# Altium PCB sFMC-98_s3f.PcbDoc (part 2 of 2)
Units mil, origin at the board's own origin, x right, y up, seen from the top; angles counter-clockwise.
Board outline 3125 x 1929.13 mil, 2 copper layers (Top Layer, Bottom Layer); 80 components, 111 nets, 443 pads, 206 vias.
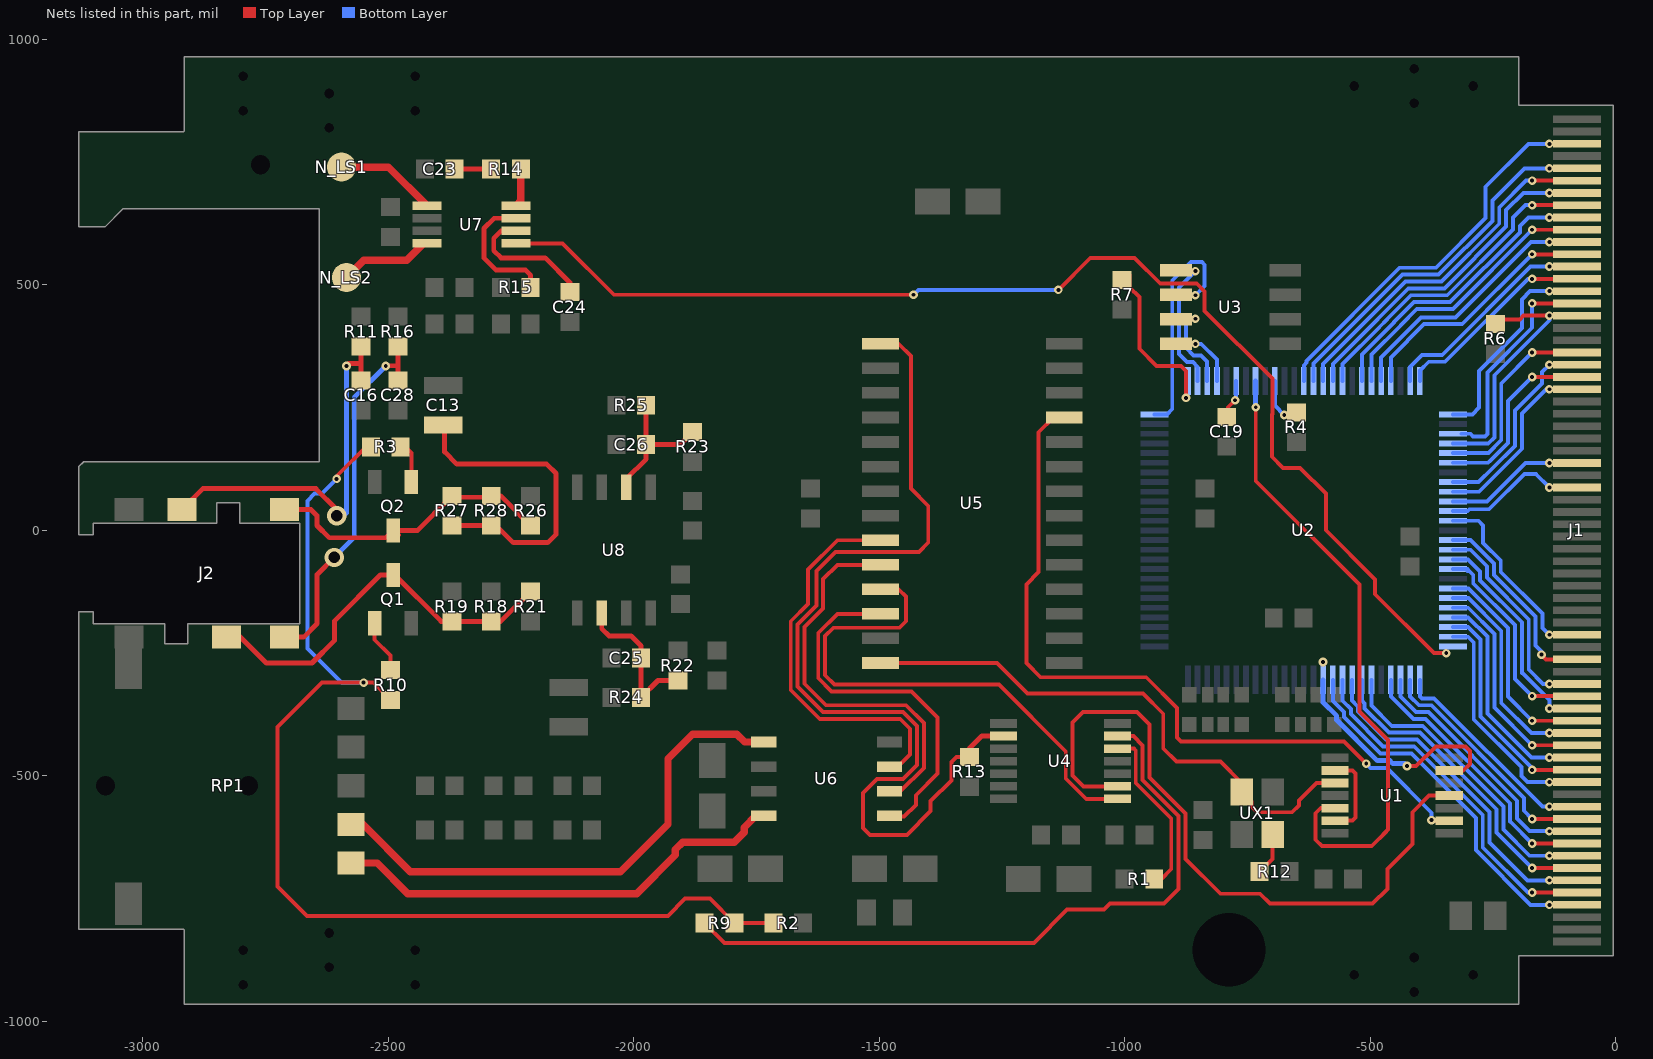
[diagram p2: the nets of this part, all layers, seen from the top]

## Via types
v1: diameter 39.37, hole 23.62, Top Layer to Bottom Layer, 106 vias
v2: diameter 17.72, hole 7.87, Top Layer to Bottom Layer, 96 vias
v3: diameter 50, hole 28, Top Layer to Bottom Layer, 4 vias

## Nets (pads, with @x,y where several pads share a name; then routed paths per layer and width w, separated by ;. In a path a pad name is that pad's centre, name@x,y a point inside that pad or via, vN(x,y) a via of type N, cw(c..) or ccw(c..) an arc to the next point about the centre after c; other vN are vias at no path point) (continued)
NetC13_2: C13.2 R27.2 R28.2 | length 642.6
  Top Layer w10: C13.2@-2385,200 -2385,160 -2360,135 -2177,135 -2158,116 -2158,-8 -2175,-25 -2245,-25 -2279.68,9.68 R28.2@-2290,9.68 R27.2@-2370,9.68
NetC16_2: C16.2 J2.5 R11.1 | length 826.6
  Top Layer w10: J2.5@-2938.9,49.92 -2938.9,56.1 J2.5@-2936.16,58.84 ; J2.5@-2919.88,42.56 -2877.44,85 -2647.37,85 -2605,42.63 v1(-2605,30) ; v2(-2585,335) -2580,340 -2555,340 ; C16.2@-2555,305.32 -2555,340 ; R11.1@-2555,374.69 -2555,340
  Bottom Layer w10: v1(-2605,30) -2615,30 -2602.5,17.5 -2585,35 v2(-2585,335)
NetC19_2: C19.2 U2.56 | length 71.7
  Top Layer w7.99: C19.2@-790,239.53 -790,250 v2(-775,265)
  Bottom Layer w7.99: v2(-775,265) -772.8,267.2 U2.56@-772.8,304.13
NetC23_1: C23.1 R14.2 | length 74.4
  Top Layer w10: C23.1@-2364.68,735.75 R14.2@-2290.31,735.75
NetC24_2: C24.2 U7.2 | length 278.5
  Top Layer w10: U7.2@-2239.45,610.2 -2269.8,610.2 -2285,595 -2285,570 -2270,555 -2180,555 -2130,505 C24.2@-2130,485.32
NetC25_2: C25.2 R22.2 R24.1 U8.2 | length 320.6
  Top Layer w10: U8.2@-2065,-167.95 -2065,-200 -2050,-215 -2005,-215 -1984.68,-235.32 C25.2@-1984.68,-260 R24.1@-1984.69,-340 -1950.32,-305.63 R22.2@-1910,-305.63
NetC26_2: C26.2 R23.2 R25.1 U8.6 | length 288.9
  Top Layer w10: U8.6@-2015,87.95 -2015,105 -1974.68,145.32 C26.2@-1974.68,175 ; R25.1@-1974.69,255 C26.2@-1974.68,175 ; R23.2@-1880,200.32 -1905.32,175 C26.2@-1974.68,175
NetC28_2: C28.2 J2.6 R16.1 | length 755.1
  Top Layer w10: J2.6@-2711.22,-217.28 -2672.28,-217.28 -2645,-190 -2645,-90 v1(-2610,-55) ; v2(-2505,335) -2504.57,335.43 -2480,335.43 ; C28.2@-2480,305.32 -2480,335.43 ; R16.1@-2480,374.69 -2480,335.43
  Bottom Layer w10: v1(-2610,-55) -2569,-14 -2569,271 v2(-2505,335)
NetJ1_33: J1.33 U2.10 | length 700.6
  Bottom Layer w8: U2.10@-575.94,-304.13 -575.94,-347.06 -553.2,-369.8 -553.2,-379.99 -479.2,-454 -416,-454 -284.68,-585.32 -284.68,-651.32 -173.4,-762.6 v2(-135,-762.6)
NetJ2_3: J2.3 Q2.3 R26.2 R27.1 R28.1 | length 612.2
  Top Layer w10: J2.3@-2711.22,42.56 -2657.56,42.56 -2645,30 -2645,10 -2620,-15 -2505,-15 Q2.3@-2490,0 -2440,0 -2406.82,33.18 -2406.82,33.5 R27.1@-2372.81,67.5 ; Q2.3@-2490,-9.21 Q2.3@-2479.21,-9.21 ; R27.1@-2370,70.31 R27.1@-2372.81,67.5 ; R26.2@-2210,9.68 -2270.63,70.31 R28.1@-2290,70.31 -2292.81,67.5 R27.1@-2372.81,67.5
NetJ2_4: J2.4 Q1.3 R18.1 R19.1 R21.2 | length 825.2
  Top Layer w10: J2.4@-2848.35,-209.92 -2808.07,-209.92 -2747.99,-270 -2655,-270 -2609,-224 -2609,-184 -2515.79,-90.79 Q1.3@-2490,-90.79 -2486.55,-90.79 -2392.02,-185.31 R19.1@-2370,-185.31 R18.1@-2290,-185.31 -2270.63,-185.31 R21.2@-2210,-124.68
NetN_LS1_1: N_LS1.1 U7.5 | length 207
  Top Layer w15: N_LS1.1@-2595,740 -2499.17,740 U7.5@-2420.55,661.38
NetN_LS2_1: N_LS2.1 U7.8 | length 193.3
  Top Layer w15: N_LS2.1@-2585,515 -2550,550 -2462.05,550 -2427.44,584.61 U7.8@-2420.55,584.61
NetQ1_1: Q1.1 R10.1 | length 108.9
  Top Layer w7.99: Q1.1@-2527.4,-189.21 -2527.4,-222.6 -2495,-255 R10.1@-2495,-284.69
NetQ2_1: Q2.1 R3.1 | length 90.7
  Top Layer w7.99: R3.1@-2474.69,180 -2452.6,157.91 Q2.1@-2452.6,98.43
NetR1_2: R1.2 U4.5 | length 353.9
  Top Layer w7.99: U4.5@-1014.86,-444.41 -981.05,-444.41 -977.3,-448.15 -977.3,-514.48 -905,-586.79 -905,-690 -925,-710 R1.2@-939.68,-710
NetR2_2: R2.2 R3.2 R9.2 R10.2 | length 2295.8
  Top Layer w7.99: v2(-2605,105) -2605,110.32 R3.2@-2540.32,175 ; R10.2@-2495,-345.32 -2530.32,-310 v2(-2550,-310) -2635,-310 -2725,-400 -2725,-725 -2665,-785 -1930,-785 -1895,-750 -1844.68,-750 R9.2@-1794.68,-800 R2.2@-1715.32,-800
  Bottom Layer w7.99: v2(-2605,105) -2635,75 -2650,75 -2664.68,60.32 -2664.68,-240.32 -2595,-310 v2(-2550,-310)
NetR4_1: R4.1 U2.60 | length 77
  Bottom Layer w8: U2.60@-694.06,304.13 -694.06,254.06 v2(-675,235)
NetR7_1: R7.1 U2.51 | length 327.2
  Top Layer w8: R7.1@-990,520.31 -990,495 -970,475 -970,370 -935,335 -885,335 -875,325 v2(-875,270)
NetR9_1: R9.1 U4.6 | length 1409.5
  Top Layer w7.99: R9.1@-1855.31,-800 -1815.31,-840 -1185,-840 -1117,-772 -1042,-772 -1030,-760 -920,-760 -890,-730 -890,-582 -963.31,-508.69 -963.31,-437.69 -982.18,-418.82 U4.6@-1014.86,-418.82
NetR12_2: R12.2 UX1.1 | length 86.3
  Top Layer w7.99: R12.2@-724.06,-695 -698.5,-669.45 UX1.1@-698.5,-619.31
NetR14_1: R14.1 U7.4 | length 78.4
  Top Layer w15: U7.4@-2239.45,661.38 -2229.68,671.15 R14.1@-2229.68,735.75
NetR15_2: R15.2 U7.3 | length 268.8
  Top Layer w10: U7.3@-2239.45,635.79 -2284.21,635.79 -2305,615 -2305,555 -2280,530 -2220,530 -2209.68,519.68 R15.2@-2209.68,495
NetRP1_1: RP1.1 U6.4 | length 944.8
  Top Layer w15: RP1.1@-2575.67,-677.48 -2522.48,-677.48 -2459.96,-740 -1994,-740 -1915,-661 -1915,-650 -1900,-635 -1795,-635 -1775,-615 -1775,-605 -1751,-581 U6.4@-1734.95,-581
NetRP1_2: RP1.2 U6.1 | length 1081.2
  Top Layer w15: RP1.2@-2575.67,-598.74 -2551.26,-598.74 -2455,-695 -2026.77,-695 -1930,-598.23 -1930,-465 -1880,-415 -1790,-415 -1774,-431 U6.1@-1734.95,-431
NetU1_2: U1.2 U1.6 | length 177.4
  Top Layer w7.99: U1.6@-571.14,-591.18 -536.18,-591.18 -530,-585 -530,-495 -536.18,-488.82 U1.2@-571.14,-488.82
NetU1_5: U1.5 U2.58 | length 1296.1
  Top Layer w7.99: v2(-733,251) -733,101 -522,-110 -522,-369 -463.99,-427.01 -463.99,-609.41 -472.99,-618.41 ; U1.5@-571.14,-565.59 -600.59,-565.59 -611,-576 -611,-630 -598.37,-642.63 -496.63,-642.63 -467.99,-613.99
  Bottom Layer w10: U2.58@-733.43,304.13 -733.43,251.43 v2(-733,251)
NetU1_9: U1.9 U5.11 | length 1608.5
  Top Layer w8: U5.11@-1097.4,230 -1145,230 -1175,200 -1175,-85 -1200,-110 -1200,-270 -1170.99,-299.01 -955.99,-299.01 -893.34,-361.66 -893.34,-421.66 -885,-430 -553,-430 v2(-508,-475) ; v2(-375,-590) -373.82,-591.18 U1.9@-338.86,-591.18
  Bottom Layer w8: v2(-508,-475) -499,-484 -466,-484 -375,-575 v2(-375,-590)
NetU1_11: U1.11 U4.2 | length 1415.5
  Top Layer w8: U4.2@-1014.86,-521.18 -1083.82,-521.18 -1106,-499 -1106,-391 -1085,-370 -975,-370 -949.31,-395.68 -949.31,-502.89 -876,-576.2 -876,-669 -805,-740 -724,-740 -704,-760 -495,-760 -465,-730 -465,-690 -414,-639 -414,-574 -380,-540 U1.11@-338.86,-540
NetU1_13: U1.13 U2.11 | length 497.7
  Top Layer w7.99: v2(-425,-480) -406.18,-480 -366.18,-440 -306,-440 -297,-449 -297,-475.54 -310.28,-488.82 U1.13@-338.86,-488.82
  Bottom Layer w10: U2.11@-595.63,-304.13 -595.63,-350.37 -568.2,-377.8 -568.2,-386.2 -485.41,-469 -459.79,-469 -453.79,-475 -430,-475 v2(-425,-480)
  other v2: -595.89,-267.96
NetU2_50: U2.50 U3.2 | length 456.5
  Bottom Layer w8: U2.50@-939.13,236.22 -913.78,236.22 -903,247 -903,509 -865.14,546.86 -842.86,546.86 -837.14,541.14 -837.14,497.86 v2(-856,479)
NetU2_52: U2.52 U3.1 | length 259.8
  Bottom Layer w8: v2(-856,528) -889,495 -889,359 -872.68,342.68 -861.17,342.68 -851.54,333.04 U2.52@-851.54,304.13
NetU2_53: U2.53 U3.3 | length 169.5
  Bottom Layer w8: v2(-856,431) -870,431 -874.86,426.14 -874.86,372.19 -859.35,356.68 -844.29,356.68 -831.85,344.24 U2.53@-831.85,304.13
NetU2_54: U2.54 U3.4 | length 101.1
  Bottom Layer w8: v2(-856,380) -844,380 -812.17,348.17 U2.54@-812.17,304.13
PC_A0: J1.29 U2.1 | length 390.6
  Bottom Layer w8: U2.1@-398.78,-304.13 -398.78,-337.82 -394.6,-342 -369.61,-342 -149.01,-562.6 v2(-135,-562.6)
PC_A1: J1.28 U2.99 | length 420.9
  Bottom Layer w8: U2.99@-330.87,-216.54 -300.46,-216.54 -289,-227.99 -289,-384.87 -192,-481.87 -192,-499.81 -179.21,-512.6 v2(-135,-512.6)
PC_A2: J1.27 U2.97 | length 406
  Bottom Layer w8: U2.97@-330.87,-177.17 -300.23,-177.17 -261,-216.4 -261,-373.27 -171.67,-462.6 v2(-135,-462.6)
PC_A3: J1.26 U2.95 | length 395.5
  Bottom Layer w8: U2.95@-330.87,-137.8 -300,-137.8 -233,-204.8 -233,-351.27 -171.67,-412.6 v2(-135,-412.6)
PC_A4: J1.25 U2.91 | length 403
  Bottom Layer w8: U2.91@-330.87,-59.06 -300.94,-59.06 -276,-84 -276,-102 -191,-187 -191,-290.47 -189.6,-290.47 -135,-345.07 v2(-135,-362.6)
PC_A5: J1.24 U2.90 | length 382.4
  Bottom Layer w8: U2.90@-330.87,-39.37 -295.63,-39.37 -262,-73 -262,-96.2 -177,-181.2 -177,-283.27 -147.67,-312.6 v2(-135,-312.6)
PC_A6: J1.23 U2.89 | length 404.8
  Top Layer w8: v2(-151,-253) -141.4,-262.6 J1.23@-78.74,-262.6
  Bottom Layer w8: U2.89@-330.87,-19.69 -295.52,-19.69 -248,-67.2 -248,-90.4 -163,-175.4 -163,-234.6 -151,-246.6 v2(-151,-253)
PC_A7: J1.22 U2.87 | length 343.4
  Bottom Layer w8: U2.87@-330.87,19.68 -279.69,19.68 -270,10 -270,-25.4 -234,-61.4 -234,-84.6 -149,-169.6 -149,-198.6 v2(-135,-212.6)
PC_A8: J1.12 U2.84 | length 324.4
  Bottom Layer w8: U2.84@-330.87,78.74 -278.66,78.74 -191,166.4 -191,238.27 -141.87,287.4 v2(-135,287.4)
PC_A9: J1.11 U2.83 | length 350.6
  Bottom Layer w8: U2.83@-330.87,98.43 -279.15,98.43 -250,127.57 -249.63,127.57 -205,172.2 -205,244.07 -150,299.07 -150,322.4 v2(-135,337.4)
PC_A10: J1.8 U2.76 | length 378.1
  Bottom Layer w8: U2.76@-330.87,236.22 -291.78,236.22 -278,250 -278,325 -191,412 -191,470.4 -174,487.4 v2(-135,487.4)
PC_C\E\1\: J1.7 U2.74 | length 397
  Bottom Layer w8: U2.74@-418.46,304.13 -418.46,333.04 -393.96,357.55 -353.06,357.55 -173.21,537.4 v2(-135,537.4)
PC_C\E\2\: J1.42 U2.78 | length 452.7
  Top Layer w7.99: v2(-170,462.4) J1.42@-78.74,462.4
  Bottom Layer w8: U2.78@-314,196.85 -295.99,196.85 -290.3,191.17 -265.83,191.17 -261,196 -261,321.8 -170,412.8 v2(-170,462.4)
PC_D0: J1.30 U2.3 | length 472.2
  Bottom Layer w8: U2.3@-438.15,-304.13 -438.15,-338.05 -406.2,-370 -381.21,-370 -200.68,-550.52 -200.68,-587.12 -175.2,-612.6 v2(-135,-612.6)
PC_D1: J1.31 U2.6 | length 569.1
  Bottom Layer w8: U2.6@-497.2,-304.13 -497.2,-356.8 -456,-398 -392.8,-398 -228.68,-562.12 -228.68,-609.12 -175.2,-662.6 v2(-135,-662.6)
PC_D2: J1.32 U2.8 | length 637.8
  Bottom Layer w8: U2.8@-536.57,-304.13 -536.57,-346.83 -525.2,-358.2 -525.2,-368.39 -467.6,-426 -404.4,-426 -256.68,-573.72 -256.68,-635.32 -179.4,-712.6 v2(-135,-712.6)
PC_D3: J1.2 U2.63 | length 758.4
  Bottom Layer w8: U2.63@-635,304.13 -635,336 -629.31,341.69 -629.31,345.48 -439.8,535 -366.19,535 -265,636.19 -265,700 -177.6,787.4 v2(-135,787.4)
PC_D4: J1.3 U2.64 | length 705
  Bottom Layer w8: U2.64@-615.31,304.13 -615.31,339.69 -434,521 -360.4,521 -251,630.4 -251,672 -185.6,737.4 v2(-135,737.4)
PC_D5: J1.4 U2.66 | length 640
  Bottom Layer w8: U2.66@-575.94,304.13 -575.94,339.06 -487.45,427.55 -487.45,427.75 -479.45,435.75 -479.45,435.95 -422.4,493 -348.8,493 -223,618.8 -223,652.2 -187.8,687.4 v2(-135,687.4)
PC_D6: J1.5 U2.69 | length 559.5
  Bottom Layer w8: U2.69@-516.89,304.13 -516.89,358.31 -451.45,423.75 -451.45,424.35 -410.8,465 -337.2,465 -195,607.2 -195,620 -177.6,637.4 v2(-135,637.4)
PC_D7: J1.6 U2.71 | length 488.2
  Bottom Layer w7.99: U2.71@-477.52,304.13 -477.52,352.48 -396,434 -326,434 -172.6,587.4 v2(-135,587.4)
PC_D8: J1.64 U2.4 | length 558.6
  Top Layer w7.99: v2(-170,-637.6) J1.64@-78.74,-637.6
  Bottom Layer w8: U2.4@-457.83,-304.13 -457.83,-338.17 -412,-384 -387.01,-384 -214.68,-556.32 -214.68,-592.91 v2(-170,-637.6)
PC_D9: J1.65 U2.7 | length 655.4
  Top Layer w7.99: v2(-170,-687.6) J1.65@-78.74,-687.6
  Bottom Layer w8: U2.7@-516.89,-304.13 -516.89,-346.71 -511.2,-352.4 -511.2,-362.59 -461.8,-412 -398.6,-412 -242.68,-567.92 -242.68,-614.91 v2(-170,-687.6)
PC_D10: J1.66 U2.9 | length 726.8
  Top Layer w7.99: v2(-170,-737.6) J1.66@-78.74,-737.6
  Bottom Layer w8: U2.9@-556.26,-304.13 -556.26,-346.94 -539.2,-364 -539.2,-374.19 -473.4,-440 -410.2,-440 -270.68,-579.52 -270.68,-645.52 -178.6,-737.6 v2(-170,-737.6)
PC_D11: J1.37 U2.65 | length 726.3
  Top Layer w7.99: v2(-170,712.4) J1.37@-78.74,712.4
  Bottom Layer w8: U2.65@-595.63,304.13 -595.63,339.37 -493.45,441.55 -493.45,441.75 -428.2,507 -354.6,507 -237,624.6 -237,658 -182.6,712.4 v2(-170,712.4)
PC_D12: J1.38 U2.67 | length 660.6
  Top Layer w7.99: v2(-170,662.4) J1.38@-78.74,662.4
  Bottom Layer w8: U2.67@-556.26,304.13 -556.26,338.74 -481.45,413.55 -481.45,413.75 -465.45,429.75 -465.45,430.15 -416.6,479 -343,479 -209,613 -209,637 -183.6,662.4 v2(-170,662.4)
PC_D13: J1.39 U2.70 | length 578.2
  Top Layer w7.99: v2(-170,612.4) J1.39@-78.74,612.4
  Bottom Layer w8: U2.70@-497.2,304.13 -497.2,358.2 -437.45,417.95 -437.45,418.55 -405.01,451 -331.4,451 v2(-170,612.4)
PC_D14: J1.40 U2.72 | length 514.2
  Top Layer w7.99: v2(-170,562.4) J1.40@-78.74,562.4
  Bottom Layer w8: U2.72@-457.83,304.13 -457.83,352.17 -390,420 -312.4,420 v2(-170,562.4)
PC_D15: J1.41 U2.75 | length 418.8
  Top Layer w7.99: v2(-170,512.4) J1.41@-78.74,512.4
  Bottom Layer w8: U2.75@-398.78,304.13 -398.78,325.42 -380.65,343.55 -347.26,343.55 -178.41,512.4 v2(-170,512.4)
PC_H\W\E\: J1.15 U2.85 | length 228.3
  Bottom Layer w8: U2.85@-330.87,59.06 -261.74,59.06 -183.4,137.4 v2(-135,137.4)
PC_I\N\P\A\C\K\: J1.60 U2.96 | length 456
  Top Layer w7.99: v2(-170,-437.6) J1.60@-78.74,-437.6
  Bottom Layer w8: U2.96@-330.87,-157.48 -300.12,-157.48 -247,-210.6 -247,-360.6 v2(-170,-437.6)
PC_I\O\R\D\: J1.44 U2.80 | length 404.7
  Top Layer w7.99: v2(-170,362.4) J1.44@-78.74,362.4
  Bottom Layer w8: U2.80@-330.87,157.48 -259.32,157.48 -233,183.8 -233,299.4 v2(-170,362.4)
PC_I\O\W\R\: J1.45 U2.81 | length 374.5
  Top Layer w7.99: v2(-170,312.4) J1.45@-78.74,312.4
  Bottom Layer w8: U2.81@-330.87,137.8 -259.58,137.8 -255.8,141.57 -255.43,141.57 -219,178 -219,263.4 v2(-170,312.4)
PC_I\R\E\Q\: J1.16 U2.86 | length 238.6
  Bottom Layer w8: U2.86@-330.87,39.37 -301.63,39.37 -297.85,43.15 -257.85,43.15 -186,115 -162.6,115 v2(-135,87.4)
PC_O\E\: J1.9 R6.1 U2.79 | length 556.5
  Top Layer w8: R6.1@-245,420.31 -235.31,430 -195,430 -187.6,437.4 v2(-135,437.4) J1.9@-78.74,437.4
  Bottom Layer w8: U2.79@-330.87,177.17 -259.43,177.17 -247,189.6 -247,316 -135,428 v2(-135,437.4)
PC_R\E\G\: J1.61 U2.98 | length 466.5
  Top Layer w7.99: v2(-170,-487.6) J1.61@-78.74,-487.6
  Bottom Layer w8: U2.98@-330.87,-196.85 -300.35,-196.85 -275,-222.2 -275,-379.07 -170,-484.07 v2(-170,-487.6)
PC_RESET: J1.58 U2.92 | length 435.9
  Top Layer w7.99: v2(-170,-337.6) J1.58@-78.74,-337.6
  Bottom Layer w8: U2.92@-330.87,-78.74 -301.96,-78.74 -301.96,-82.52 -298.18,-82.52 -290,-90.7 -290,-107.8 -205,-192.8 -205,-302.6 v2(-170,-337.6)
PC_STSCHG: J1.63 U2.2 | length 492.3
  Top Layer w7.99: v2(-170,-587.6) J1.63@-78.74,-587.6
  Bottom Layer w8: U2.2@-418.46,-304.13 -418.46,-337.94 -400.4,-356 -375.41,-356 -186.68,-544.72 -186.68,-570.91 v2(-170,-587.6)
PC_W\A\I\T\: J1.59 U2.94 | length 445.5
  Top Layer w7.99: v2(-170,-387.6) J1.59@-78.74,-387.6
  Bottom Layer w8: U2.94@-330.87,-118.11 -299.89,-118.11 -219,-199 -219,-338.6 v2(-170,-387.6)
SPK_ENABLE: U2.100 U7.1 | length 2481.5
  Top Layer w8: U7.1@-2239.45,584.61 -2144.61,584.61 -2040,480 v2(-1430,480) ; v2(-1135,490) -1070,555 -979.64,555 -927.43,502.8 -853.13,502.8 -837.14,486.81 -837.14,447.14 -699.15,309.15 -699.15,236.98 -700,236.12 -700,150 -677.51,127.51 -642.49,127.51 -590,75.02 -590,0.42 -492,-97.58 -492,-98 -490,-100 -490,-130 -370,-250 v2(-345,-250)
  Bottom Layer w8: v2(-1430,480) -1420,490 v2(-1135,490)
YM_BCO: U5.23 U6.7 | length 786.9
  Top Layer w7.99: U5.23@-1522.6,-20 -1585,-20 -1645,-80 -1645,-150 -1680,-185 -1680,-325 -1621,-384 -1457,-384 -1437,-404 -1437,-456 -1462,-481 U6.7@-1479.05,-481
YM_I\R\Q\: R13.1 U4.9 U5.15 | length 1975.6
  Top Layer w8: U5.15@-1522.6,380 -1460,380 -1435,355 -1435,85 -1400,50 -1400,-25 -1419,-44 -1589.21,-44 -1627.99,-82.78 -1627.99,-153.19 -1666,-191.21 -1666,-211 -1666,-318.15 -1614.15,-370 -1451.2,-370 -1423,-398.2 -1423,-478 -1451,-506 -1504.61,-506 -1533,-534.39 -1533,-606 -1519,-620 -1443.24,-620 -1395,-571.76 -1395,-551 -1353.03,-509.03 -1353.03,-472.03 -1342.69,-461.69 R13.1@-1316,-461.69
  Top Layer w10: R13.1@-1316,-461.69 -1316,-444 -1290.82,-418.82 U4.9@-1247.14,-418.82
YM_LRO: U5.26 U6.5 | length 723.8
  Top Layer w7.99: U5.26@-1522.6,-170 -1584.79,-170 -1624.02,-209.24 -1624.02,-300.76 -1596.76,-328.02 -1433.81,-328.02 -1381.02,-380.81 -1381.02,-495.39 -1425,-539.37 -1425,-559 -1449,-583 U6.5@-1457.05,-583
YM_MCLK: U1.3 U5.28 UX1.3 | length 1170.5
  Top Layer w7.99: U5.28@-1522.6,-270 -1260.21,-270 -1198.22,-331.99 -962.8,-331.99 -921.33,-373.46 -921.33,-443.89 -894.21,-471 -805,-471 UX1.3@-761.5,-514.5 ; UX1.3@-758,-518 UX1.3@-761.5,-514.5 ; U1.3@-571.14,-514.41 -609.41,-514.41 -645,-550 -645,-560 -659,-574 -730,-574 -742,-562 -742,-552.19 UX1.3@-761.5,-532.69 UX1.3@-761.5,-514.5
YM_SO: U5.24 U6.6 | length 789.7
  Top Layer w7.99: U5.24@-1522.6,-70 -1585,-70 -1613.99,-98.99 -1613.99,-158.99 -1652.01,-197.01 -1652.01,-312.36 -1608.36,-356.01 -1445.41,-356.01 -1409.01,-392.41 -1409.01,-483.8 -1456.21,-531 U6.6@-1479.05,-531
YM_WCO: U4.1 U5.25 | length 1122.9
  Top Layer w7.99: U5.25@-1522.6,-120 U5.25@-1497.01,-120 -1460,-120 -1445,-135 -1445,-185 -1458.19,-198.19 -1593.19,-198.19 -1610.03,-215.03 -1610.03,-294.97 -1591,-314 -1256,-314 -1120,-450 -1120,-505 -1078.23,-546.77 U4.1@-1014.86,-546.77
pads on no net: J1.10 J1.13 J1.14 J1.18 J1.19 J1.20 J1.21 J1.43 J1.46 J1.47 J1.48 J1.49 J1.50 J1.52 J1.53 J1.54 J1.55 J1.56 J1.62 MP1.0 RP1.0@-2784.33,-520 RP1.0@-3028.43,-760.16 RP1.0@-3075.67,-520 U1.8 U2.13 U2.17 U2.19 U2.22 U2.25 U2.27 U2.29 U2.31 U2.35 U2.37 U2.41 U2.43 U2.45 U2.46 U2.47 U2.48 U2.49 U2.55 U2.57 U2.59 U2.61 U3.7 U4.4 U4.10 U4.12 U5.10 U5.13

## Other copper
Top Layer:
  rectangle net 5V_RAW: -145,15 -81.34,40
  region net A5V: -2120,62.36 -2135,47.36 -2135,-105 -2115,-125 -1940,-125 -1920,-105 -1920.35,-104.65 -1920.35,-74.65 -1945,-50 -1945,25 -1970,50 -2095,50 -2107.36,62.36
  region net GND: -415,-670 -385,-640 -305,-640 -295,-630 -295,-580 -285,-570 -285,-410 -260,-410 -250,-420 -250,-650 -290,-690 -290,-715 -310,-735 -415,-735
  region net GND: -1330,-825 -1215,-825 -1180,-790 -1180,-745 -1200,-725 -1250,-725 -1325,-800 -1330,-800
  region net 5V: -1435,-220 -1435,-105 -1340,-10 -1340,30 -1415,105 -1415,505 -1395,525 -1135,525 -1170,490 -1170,225 -1190,205 -1190,-75 -1215,-100 -1215,-240 -1415,-240
  region net 5V: -435,-555 -416,-555 -377.42,-516.42 -377.42,-475.4 -383.4,-475.4 -413,-505 -435,-505
  region net GND: -495,-300 -493,-298 -493,-184 -453,-184 -374,-263 -362,-263 -350,-275 -350,-301.61
  region net GND: -771,-3 -791,-23 -874,-23 -900,-49 -900,-55 -891,-64 -795,-64 -753,-106 -753,-187 -736,-204 -710,-204 -703,-197 -714,-186 -714,-156 -705,-147 -577,-147 -555,-125 -760,80 -760,117 -776,133 -805,133 -805,91 -817,79 -771,33
  region net GND: -290,-275 -470,-275 -495,-300 -495,-355 -425,-425 -285,-425
  region net GND: -137.22,810 -185,810 -195,800 -195,550 -265,480 -285,480 -285,650 -355,720 -460,720 -460,845 -240,845 -230,855 -127.22,855
  region net GND: -595,360 -435,360 -395,320 -280,320 -265,305 -205,305 -140,240 -140,165 -160,145 -160,70 -215,15 -215,-205 -250,-240 -250,-480 -320,-410 -320,-240 -340,-220 -365,-220 -365,-65 -400,-30 -420,-30
  region net GND: -760,395 -670,305 -670,280 -605,280 -570,245 -570,15 -535,-20 -440,-20 -405,15 -405,205 -595,395
  region net 5V: -475,420 -400,345 -270,345 -260,355 -260,370 -265,370 -315,420
  region net 5V: -1135,525 -1090,570 -735,570 -695,530 -650,530 -610,490 -610,435 -555,380 -340,380 -295,425 -295,640 -365,710 -1240.43,710 -1395,555.43 -1395,525
  region net GND: -409.44,-664.44 -440,-695 -450,-695 -450,-765 -360,-765 -330,-735 -330,-674.38
  region net 5V: -655,-780 -655,-845 -340,-845 -310,-815 -310,-755 -330,-755 -350,-775 -650,-775
  region net GND: -950,80 -1010,140 -1010,230 -995,245 -864,245 -805,186 -805,80
  region net GND: -900,-55 -955,0 -955,95 -840,95 -865,70 -865,-55
  region net GND: -799.2,-457 -782.2,-440 -680,-440 -670,-450 -670,-485 -685,-500 -685,-515 -713.44,-515 -740.44,-488 -768.2,-488
  region net 5V: -1335,-510 -1335,-615 -1310,-640 -1195,-640 -1190,-635 -1170,-635 -1170,-610 -1157.5,-597.5 -1185,-570 -1275,-570 -1300,-545 -1300,-510
  region net GND: -1625,-735 -1640,-750 -1640,-815 -1635,-820 -1570,-820 -1565,-815 -1565,-750
Bottom Layer:
  rectangle net GND: -772.59,-152.59 -497,123
  region net A5V: -1759,-689 -1715,-645 -1715,-410 -1705,-410 -1590,-525 -1590,-689
  region net A5V: -1715,235 -1715,420 -1930,635 -2570,635 -2625,690 -2625,775 -2610,790 -1775,790 -1650,665 -1650,235
  region net GND: -1785,235 -1785,295 -1878.9,388.9 -2376.69,388.9 -2396.61,368.98 -2396.61,253.39 -2435.43,214.57 -2539.57,214.57 -2555,230 -2555,260 -2523.9,290.75 -2523.15,290 -2512.25,290 -2485,317.25 -2485,341.77 -2503.22,360 -2586.1,360 -2586.1,361.1 -2625,400 -2625,570 -2570,625 -1945,625 -1725,405 -1725,235
  region net GND: -1085,515 -1085,780 -1450,780 -1635,595 -1635,515
  region net GND: -2515,-295 -2520,-300 -2520,-325 -2530,-335 -2625,-335 -2645,-355 -2645,-380 -2620,-405 -2500,-405
  region net A5V: -1680,-669.32 -1680,-445 -1715,-410 -1715,235 -1650,235 -1650,-365 -1590,-425 -1590,-669.32
  region net GND: -1785,235 -1725,235 -1725,-590 -1835,-700 -1835,-162.5 -1785,-112.5
  region net A5V: -2100,-620 -2100,-755 -2060,-795 -1965,-795 -1928.9,-831.1 -1706.1,-831.1 -1590,-715 -1590,-689 -1759,-689 -1815,-745 -1875,-745 -2000,-620
  region net GND: -1805,-145 -1805,-120 -1795,-110 -1795,25 -1960,25 -1960,-145
  region net GND: -1980,-375 -1975,-380 -1975,-620 -1885,-710 -1815,-710 -1815,-389.14
  region net GND: -2075,130 -1795,130 -1795,280 -1890,375 -2075,375
  region net GND: -1930,-50 -1985,-105 -1985,-375 -1980,-375 -1900,-455 -1800,-455 -1800,-50
  region net GND: -2440,-615 -2440,-255 -2420,-235 -2410,-245 -2150,-245 -2120,-215 -2120,-55 -2095,-30 -1965,-30 -1945,-50 -1795,-50 -1795,140 -2430,140 -2480,90 -2480,-85 -2520,-125 -2520,-657.35
  region net A5V: -2100,-655 -2010,-655 -2005,-650 -2005,-110 -1975,-80 -1975,-40 -2085,-40 -2100,-55
  region net GND: -1635,410 -1635,595 -1450,595 -1450,410
  region net 5V: -1230,-30 -1275,15 -1275,30 -1020,30 -990,0 -995,-5 -995,-30
  region net 5V: -1282.5,-377.5 -1465,-195 -1465,25 -1455,35 -1420,35 -1405,20 -1405,-5 -1380,-30 -1310,-30 -1225,-115 -1225,-320
  region net GND: -1540,-460 -1640,-360 -1640,415 -1595,460 -1540,460
  region net 5V: -821,-600 -793,-572 -744,-572 -724,-592 -657,-592 -657,-657 -675,-675 -697,-675 -742,-630 -821,-630
  region net GND: -584,108 -584,226 -537,273 -523,259 -458,259 -458,162 -505,115 -505,65
  region net 5V: -444,-30 -443,-31 -398,-31 -398,-48 -404,-54 -444,-54
  region net 5V: -485,-146 -485,118 -444,159 -444,142 -403,101 -403,62 -437,62 -453,46 -452,45 -452,-17 -404,-65
  region net GND: -662,-481 -640,-503 -640,-555 -660,-575
  region net 5V: -857,-319 -857,-338 -868,-349 -807,-410 -650,-410 -630,-430 -630,-555 -659,-584 -659,-659 -579,-579 -534,-579 -526,-571 -526,-450 -529,-450 -613,-366 -613,-347 -647.37,-347 -654.69,-339.68 -669,-354 -840,-354 -850,-344 -850,-331
  region net GND: -762,13 -804,55 -804,58 -888,58 -889,57 -889,220 -861,248 -760,248 -760,244 -748,232 -697,232 -697,146 -677,126 -677,108
  region net 5V: -630,485 -510,485 -630,365
  region: -625,495
  region net GND: -670,500 -500,500 -445,555 -380,555 -300,635 -300,700 -630,700 -665,665
  region net GND: -190,85 -250,25 -250,-25 -220,-55 -220,-75 -135,-160 -135,-185 -110,-210 -70,-210 -70,55 -85,70 -90,65 -145,65 -165,85
  region net GND: -895,590 -820,590 -805,575 -805,445 -730,370 -680,370 -640,410 -640,685 -645,690 -825,690
  region net 5V: -660.17,-160 -659.84,-278.84 -636,-255 -636,-246.45 -616.55,-227 -590,-227 -590,-210 -590,-160
  region net 5V: -444,104 -390,50 -390,-7 -485,-102 -485,-154 -493,-162 -577,-162 -629.27,-214.27 -593.55,-250 -387,-250 -370.41,-233.41 -370.41,-107.65 -376,-102.06 -376,109 -366.89,118.11 -377,128.22 -377,240 -400,263 -444,263
  region net GND: -85,830 -110,805 -110,-790 -90,-810 -55,-810 -55,820 -65,830
  region net GND: -435,-625 -435,-820 -410,-845 -45,-845 -25,-825 -25,-780 -185,-780 -340,-625
  region net GND: -985,169.09 -985,405 -930,460 -930,550 -885,595 -390,595 -175,810 -175,845 -605,845 -645,805 -900,805 -915,820 -915,830 -1035,830 -1085,780 -1085,505 -1189.04,400.96
  region net GND: -535,-675 -530,-670 -460,-670 -435,-695 -435,-715 -425,-715 -380,-760 -375,-755 -355,-755 -355,-735 -345,-725 -350,-720 -350,-625 -370,-625 -405,-590 -510,-590
  region net GND: -510,-590 -510,-660 -575,-725 -640,-725 -655,-710 -655,-680 -565,-590
  region net 5V: -825,-20 -825,-103 -804.31,-123.69 -795,-114.37 -795,-20
  region net GND: -895,-128.08 -896.92,-130 -871.92,-155 -820,-155 -820,-135 -845,-110 -845,-36 -866,-15 -895,-15
  region net 5V: -925,5 -905,5 -890,20 -890,40 -805,40 -780,15 -780,-213 -805,-238 -848,-238 -805,-195 -805,-65 -875,5
  region net GND: -1130,-130 -1128.5,-131.5 -986.5,-131.5 -999.89,-144.89 -999.89,-289.89 -1005,-295
  region net 5V: -1230,5 -985,5 -985,-35 -1005,-55 -1205,-55 -1230,-30
  region net GND: -1460,310 -1425,275 -1425,170 -1340,85 -1000,85 -980,105 -980,230 -1010,230 -1090,310
  region net GND: -1215,-130 -1215,-515 -1180,-550 -1135,-550 -1135,-610 -1090,-610 -1070,-590 -830,-590 -800,-560 -740,-560 -725,-575 -660,-575 -660,-420 -820,-420 -955,-285 -955,-270 -990,-270 -1130,-130
  region net 5V: -1205,-620 -1085,-620 -1065,-600 -720,-600 -670,-650 -670,-715 -645,-740 -550,-740 -535,-725 -535,-700 -520,-685 -465,-685 -455,-695 -455,-810 -485,-840 -687,-840 -687,-797 -729,-755 -837,-755 -888,-806 -888,-840 -1180,-840 -1205,-815
  region net 5V: -1340,-320 -1325,-335 -1325,-405 -1340,-420 -1340,-570 -1325,-585 -1275,-585 -1205,-655 -1205,-725 -1155,-725 -1145,-715 -1145,-560 -1185,-560 -1225,-520 -1225,-320
  region net GND: -1350,-610 -1350,-335 -1475,-210 -1475,30 -1510,65 -1510,-610
  region net GND: -1555,460 -1555,-700 -1610,-755 -1610,-840 -1240,-840 -1220,-820 -1220,-660 -1285,-595 -1505,-595 -1505,260 -1465,300 -1095,300 -1095,460
  region net GND: -2596.92,-660.92 -2603,-667 -2603,-749 -2583,-769 -2483,-769 -2468,-754 -2468,-659
  region net GND: -724,-104 -772.8,-152.8 -772.8,-223.14 -670,-223.14 -670,-145 -690,-125
  region net GND: -2455,-610
  region: -793,149

## Silkscreen, mask and mechanical layers (free items; w line width, h text height)
Top Overlay:
  lines w5.91: -2430,340 -2400,370 -2050,370 -1960,370 -1920,410 -1860,410 ; -2190.24,542.29 -2180,552.52 -2180,695 -1885,695 -1885,535 -2160,535 -2170,525 ; -1800,-223.13 -1798.13,-225 -1715,-225 -1705,-215 -1705,-90 -1690,-75 -1610,-75 ; -1720,-60 -1665,-5 ; -1690,830 -1690,410 -1860,410 ; -1685,830 -1860,830 -1860,410
  lines w8: -2290,673.9 -2265,698.9 ; -2199.56,715.75 -2199.56,716.18 ; -2130,-460 -2105,-460 -2090,-445 -2085,-445 ; -1970,-380 -1910,-380 -1885,-355 ; -1685,430 -1685,840 -1460,840 -1460,430 -1685,430
  text "- EngSmpl -" at -1180,720 h120
  text "FMC98/r" at -1180,570 h200
Bottom Overlay:
  region: -359.41,-275.59 -359.41,-335.59 -299.41,-275.59
  region: -325,-340
  region: -325,-340
  region: -325,-340
  region: -2601.8,-810.52 -3161,-493.92 -3161,-809.21
  region: -1983.46,-805 -2373.5,-805 -3161,-345.72 -3161,-109.59
  text "FMC" at -1030,290 h750
  text "98/r" at -1010,-150 h700
  text "Sound Chip:YMF288" at -1040,-430 h120
  text "Rev 1.1b" at -1040,-470 h120
  text "PCMCIA - FM" at -1050,-520 h260
  text "- Engineering Sample -" at -970,-580 h120
  text "FH Studio" at -440,-650.24 h120
  text "AndyLithia @ Lithcore.cn" at -430,-750 h120
Mechanical 1:
  lines w3.94: -2335,345 -2335,345 ; -2335,345 -2095,345 -2095,165 ; -2335,345 -2335,165 -2095,165 ; -2095,165 -2095,165 ; -630,866.14 -630,930 -2324.45,930 -2324.45,812.01 -1972.44,812.01 -1972.44,866.14 -866.14,866.14 -866.14,838.58 -708.66,838.58 -708.66,866.14 -630,866.14 ; -630,866.14 -630,866.14 ; -3130,-812.01 -3130,-406 -3130,-166.1 -3100.98,-166.1 -3100.98,-189.72 -2955.32,-189.72 -2955.32,-231.06 -2908.07,-231.06 -2908.07,-189.72 -2679.72,-189.72 -2679.72,15 -2801.77,15 -2801.77,56.34 -2849.02,56.34 -2849.02,15 -3100.98,15 -3100.98,-8.62 -3130,-8.62 -3130,130 -3120,140 -2640,140 -2640,655 -3040,655 -3076.77,618.23 -3130,618.23 -3130,812.01 -2917.01,812.01 -2915,814.02 -2915,964.57 -2324.45,964.57 -595.43,964.57 -196.85,964.57 -196.85,866.14 -5,866.14 -5,-866.14 -196.85,-866.14 -196.85,-964.57 -2915,-964.57 -2915,-814.02 -2917.01,-812.01 -3130,-812.01 ; -2425,-450 -2425,-270 -2185,-270 -2185,-450 -2425,-450 ; -2324.45,-930 -2324.45,-812.01 -1972.44,-812.01 -1972.44,-866.14 -866.14,-866.14 -866.14,-858.27 cw(c-787.4,-858.27) -708.66,-858.27 -708.66,-866.14 -630,-866.14 -630,-930 -2324.45,-930
  lines w5.91: -2335,165 -2095,165 -2095,345 ; -2335,165 -2335,165 ; -2335,165 -2335,345 ; -2335,345 -2335,345 ; -2335,345 -2095,345 ; -2095,345 -2095,345 ; -2425,-450 -2425,-270 -2185,-270 -2185,-450 -2425,-450
Mechanical 13:
  lines w3.94: -4315,0 409.45,0
  lines w5.91: -3128.23,0 241.85,0 ; -3128.23,945 -3128.11,944.88 ; 233.98,-1062.99 -3128.23,1062.99 ; 233.98,1062.99 -3128.23,-1062.99 ; -3128.23,-1062.99 -3128.23,1062.99 ; -3128.23,-1062.99 241.85,-1062.99 241.85,1062.99 -3128.23,1062.99

## Dimensions
241.85,1062.99 to -3128.23,1062.99 on Mechanical 13

## Text inside footprints (layer, text, board x,y; h text height)
RP1: Mechanical 1 "ALPS RK10J12R" at -2839.45,-756.22 h30 r90
U2: Bottom Overlay "1" at -359.41,-390.75 h30; Bottom Overlay "25" at -879.09,-390.75 h30; Bottom Overlay "26" at -1024.76,-327.76 h30 r270; Bottom Overlay "51" at -962.76,389.76 h30 r180; Bottom Overlay "76" at -245.24,327.76 h30 r90; Bottom Overlay "50" at -1025.75,244.09 h30 r270; Bottom Overlay "75" at -390.91,390.75 h30 r180; Bottom Overlay "100" at -244.25,-244.09 h30 r90